# KiCad board Plume.kicad_pcb (continued)
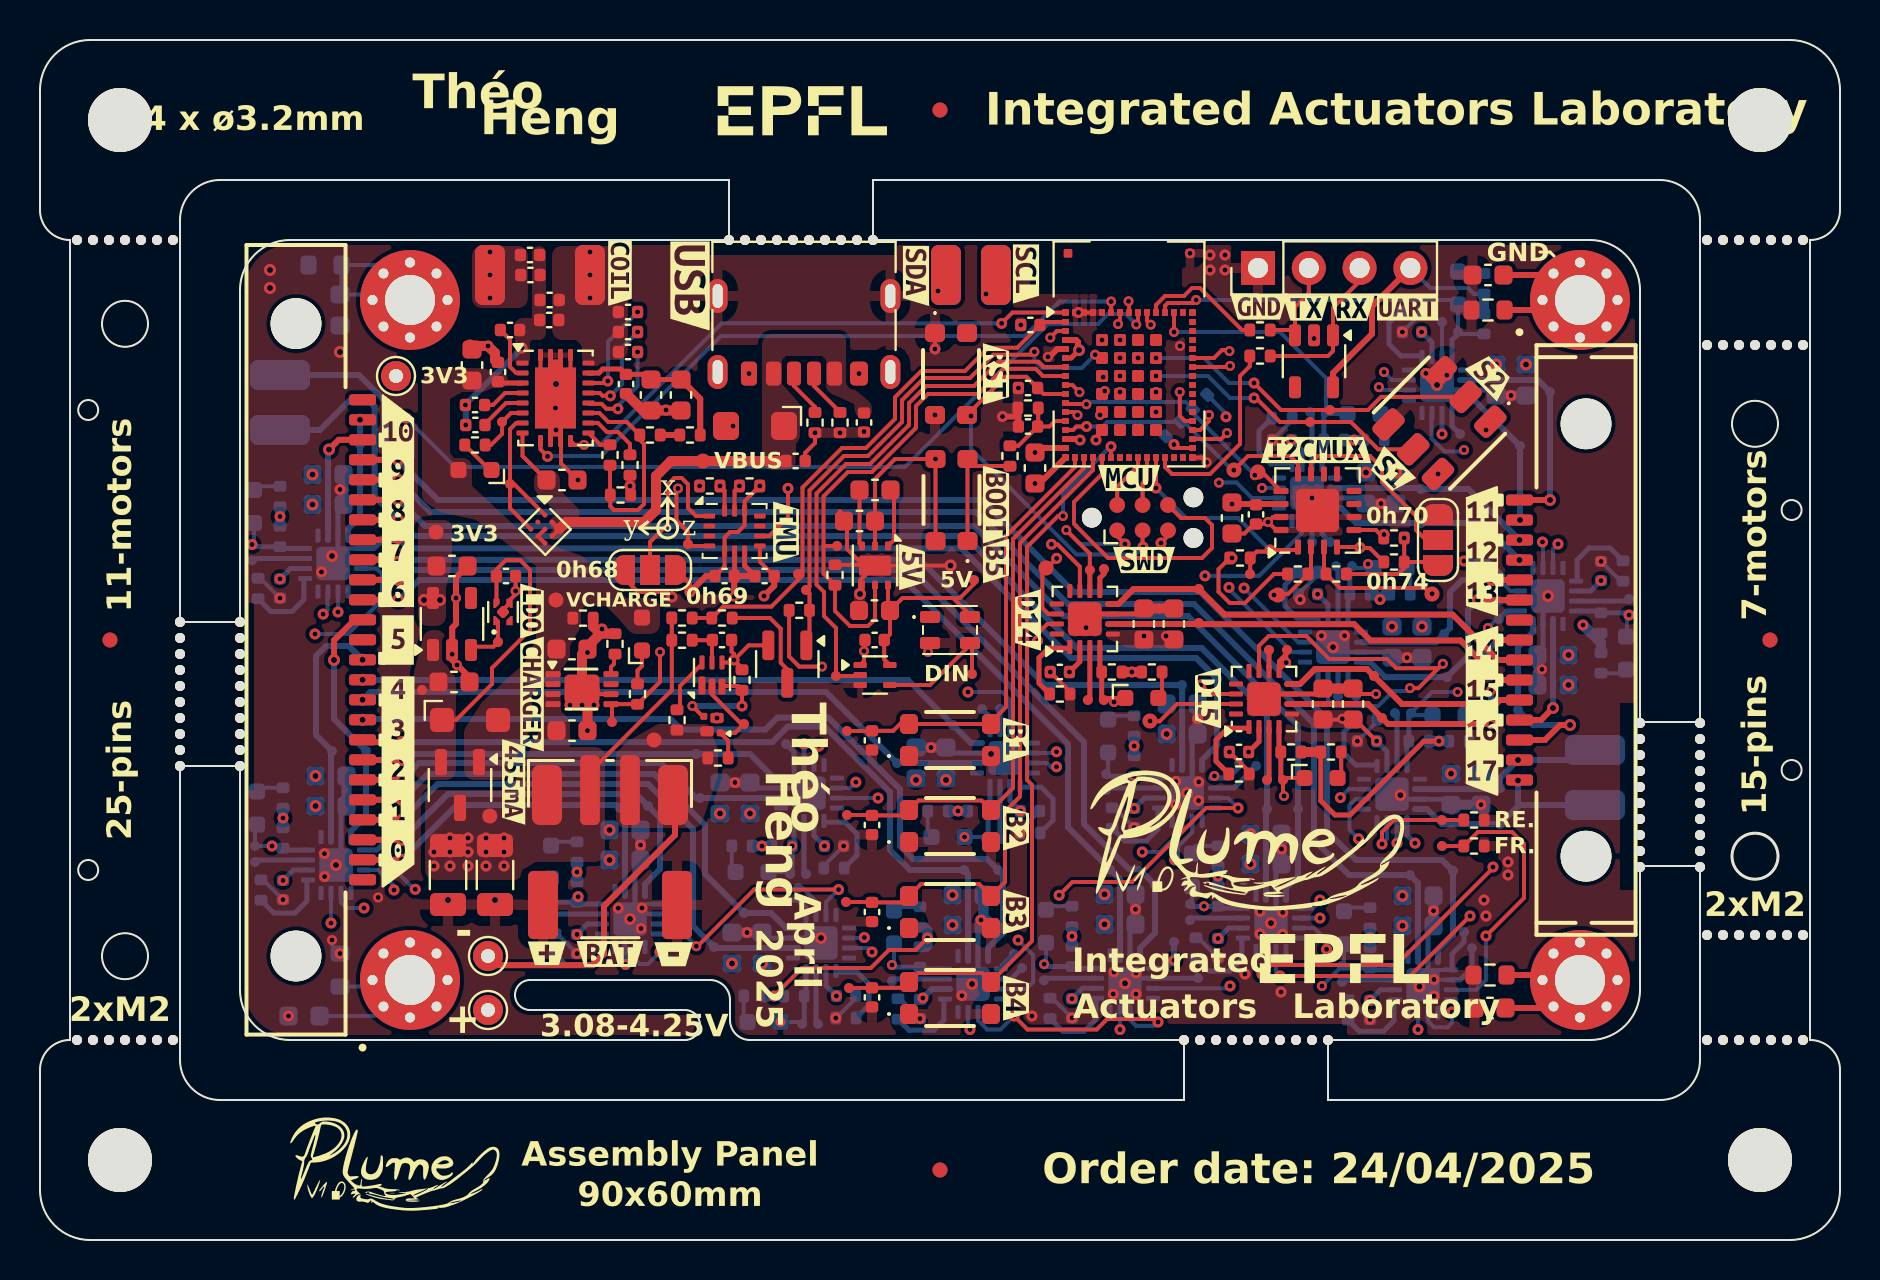
[diagram p0: board, top side]
## Nets (continued)
/Project Architecture/Motor Control - Drivers/Motor Control - Driver 4/VREF: IC1601.16
/Project Architecture/Motor Control - Drivers/Motor Control - Driver 5/A1: IC1701.9 TP1706.1
/Project Architecture/Motor Control - Drivers/Motor Control - Driver 5/EN/IN1: IC1701.13
/Project Architecture/Motor Control - Drivers/Motor Control - Driver 5/FAULT_LED: LED1701.2 R1702.2
/Project Architecture/Motor Control - Drivers/Motor Control - Driver 5/PH/EN2: IC1701.12
/Project Architecture/Motor Control - Drivers/Motor Control - Driver 5/RC_OUT: IC1701.3 TP1702.1
/Project Architecture/Motor Control - Drivers/Motor Control - Driver 5/VREF: IC1701.16
/Project Architecture/Motor Control - Drivers/Motor Control - Driver 6/EN/IN1: IC1801.13
/Project Architecture/Motor Control - Drivers/Motor Control - Driver 6/FAULT_LED: LED1801.2 R1802.2
/Project Architecture/Motor Control - Drivers/Motor Control - Driver 6/PH/EN2: IC1801.12
/Project Architecture/Motor Control - Drivers/Motor Control - Driver 6/RC_OUT: IC1801.3 TP1802.1
/Project Architecture/Motor Control - Drivers/Motor Control - Driver 6/VREF: IC1801.16
/Project Architecture/Motor Control - Drivers/Motor Control - Driver 7/A0: IC1901.10 TP1905.1
/Project Architecture/Motor Control - Drivers/Motor Control - Driver 7/EN/IN1: IC1901.13
/Project Architecture/Motor Control - Drivers/Motor Control - Driver 7/FAULT_LED: LED1901.2 R1902.2
/Project Architecture/Motor Control - Drivers/Motor Control - Driver 7/PH/EN2: IC1901.12
/Project Architecture/Motor Control - Drivers/Motor Control - Driver 7/RC_OUT: IC1901.3 TP1902.1
/Project Architecture/Motor Control - Drivers/Motor Control - Driver 7/VREF: IC1901.16
/Project Architecture/Motor Control - Drivers/Motor Control - Driver 8/EN/IN1: IC2001.13
/Project Architecture/Motor Control - Drivers/Motor Control - Driver 8/FAULT_LED: LED2001.2 R2002.2
/Project Architecture/Motor Control - Drivers/Motor Control - Driver 8/PH/EN2: IC2001.12
/Project Architecture/Motor Control - Drivers/Motor Control - Driver 8/RC_OUT: IC2001.3 TP2002.1
/Project Architecture/Motor Control - Drivers/Motor Control - Driver 8/VREF: IC2001.16
/Project Architecture/Motor Control - Drivers/Motor Control - Driver 9/EN/IN1: IC2101.13
/Project Architecture/Motor Control - Drivers/Motor Control - Driver 9/FAULT_LED: LED2101.2 R2102.2
/Project Architecture/Motor Control - Drivers/Motor Control - Driver 9/PH/EN2: IC2101.12
/Project Architecture/Motor Control - Drivers/Motor Control - Driver 9/RC_OUT: IC2101.3 TP2102.1
/Project Architecture/Motor Control - Drivers/Motor Control - Driver 9/VREF: IC2101.16
/Project Architecture/Motor Control - Drivers/Motor Control - Driver 10/A0: IC2201.10 TP2205.1
/Project Architecture/Motor Control - Drivers/Motor Control - Driver 10/EN/IN1: IC2201.13
/Project Architecture/Motor Control - Drivers/Motor Control - Driver 10/FAULT_LED: LED2201.2 R2202.2
/Project Architecture/Motor Control - Drivers/Motor Control - Driver 10/PH/EN2: IC2201.12
/Project Architecture/Motor Control - Drivers/Motor Control - Driver 10/RC_OUT: IC2201.3 TP2202.1
/Project Architecture/Motor Control - Drivers/Motor Control - Driver 10/VREF: IC2201.16
/Project Architecture/Motor Control - Drivers/Motor Control - Driver 11/EN/IN1: IC2301.13
/Project Architecture/Motor Control - Drivers/Motor Control - Driver 11/FAULT_LED: LED2301.2 R2302.2
/Project Architecture/Motor Control - Drivers/Motor Control - Driver 11/PH/EN2: IC2301.12
/Project Architecture/Motor Control - Drivers/Motor Control - Driver 11/RC_OUT: IC2301.3 TP2302.1
/Project Architecture/Motor Control - Drivers/Motor Control - Driver 11/VREF: IC2301.16
/Project Architecture/Motor Control - Drivers/Motor Control - Driver 12/A1: IC2401.9 TP2406.1
/Project Architecture/Motor Control - Drivers/Motor Control - Driver 12/EN/IN1: IC2401.13
/Project Architecture/Motor Control - Drivers/Motor Control - Driver 12/FAULT_LED: LED2401.2 R2402.2
/Project Architecture/Motor Control - Drivers/Motor Control - Driver 12/PH/EN2: IC2401.12
/Project Architecture/Motor Control - Drivers/Motor Control - Driver 12/RC_OUT: IC2401.3 TP2402.1
/Project Architecture/Motor Control - Drivers/Motor Control - Driver 12/VREF: IC2401.16
/Project Architecture/Motor Control - Drivers/Motor Control - Driver 13/A0: IC2501.10 TP2505.1
/Project Architecture/Motor Control - Drivers/Motor Control - Driver 13/A1: IC2501.9 TP2506.1
/Project Architecture/Motor Control - Drivers/Motor Control - Driver 13/EN/IN1: IC2501.13
/Project Architecture/Motor Control - Drivers/Motor Control - Driver 13/FAULT_LED: LED2501.2 R2502.2
/Project Architecture/Motor Control - Drivers/Motor Control - Driver 13/PH/EN2: IC2501.12
/Project Architecture/Motor Control - Drivers/Motor Control - Driver 13/RC_OUT: IC2501.3 TP2502.1
/Project Architecture/Motor Control - Drivers/Motor Control - Driver 13/VREF: IC2501.16
/Project Architecture/Motor Control - Drivers/Motor Control - Driver 14/A1: IC2601.9 TP2606.1
/Project Architecture/Motor Control - Drivers/Motor Control - Driver 14/EN/IN1: IC2601.13
/Project Architecture/Motor Control - Drivers/Motor Control - Driver 14/FAULT_LED: LED2601.2 R2602.2
/Project Architecture/Motor Control - Drivers/Motor Control - Driver 14/PH/EN2: IC2601.12
/Project Architecture/Motor Control - Drivers/Motor Control - Driver 14/RC_OUT: IC2601.3 TP2602.1
/Project Architecture/Motor Control - Drivers/Motor Control - Driver 14/VREF: IC2601.16
/Project Architecture/Motor Control - Drivers/Motor Control - Driver 15/EN/IN1: IC2701.13
/Project Architecture/Motor Control - Drivers/Motor Control - Driver 15/FAULT_LED: LED2701.2 R2702.2
/Project Architecture/Motor Control - Drivers/Motor Control - Driver 15/PH/EN2: IC2701.12
/Project Architecture/Motor Control - Drivers/Motor Control - Driver 15/RC_OUT: IC2701.3 TP2702.1
/Project Architecture/Motor Control - Drivers/Motor Control - Driver 15/VREF: IC2701.16
/Project Architecture/Motor Control - Drivers/Motor Control - Driver 16/A0: IC2801.10 TP2805.1
/Project Architecture/Motor Control - Drivers/Motor Control - Driver 16/EN/IN1: IC2801.13
/Project Architecture/Motor Control - Drivers/Motor Control - Driver 16/FAULT_LED: LED2801.2 R2802.2
/Project Architecture/Motor Control - Drivers/Motor Control - Driver 16/PH/EN2: IC2801.12
/Project Architecture/Motor Control - Drivers/Motor Control - Driver 16/RC_OUT: IC2801.3 TP2802.1
/Project Architecture/Motor Control - Drivers/Motor Control - Driver 16/VREF: IC2801.16
/Project Architecture/Motor Control - Drivers/Motor Control - Driver 17/EN/IN1: IC2901.13
/Project Architecture/Motor Control - Drivers/Motor Control - Driver 17/FAULT_LED: LED2901.2 R2902.2
/Project Architecture/Motor Control - Drivers/Motor Control - Driver 17/PH/EN2: IC2901.12
/Project Architecture/Motor Control - Drivers/Motor Control - Driver 17/RC_OUT: IC2901.3 TP2902.1
/Project Architecture/Motor Control - Drivers/Motor Control - Driver 17/VREF: IC2901.16
/Project Architecture/Motor Control - Drivers/OUT1_0: IC1201.6 J1101.2 TP1203.1
/Project Architecture/Motor Control - Drivers/OUT1_1: IC1301.6 J1101.4 TP1303.1
/Project Architecture/Motor Control - Drivers/OUT1_2: IC1401.6 J1101.6 TP1403.1
/Project Architecture/Motor Control - Drivers/OUT1_3: IC1501.6 J1101.8 TP1503.1
/Project Architecture/Motor Control - Drivers/OUT1_4: IC1601.6 J1101.10 TP1603.1
/Project Architecture/Motor Control - Drivers/OUT1_5: IC1701.6 J1101.12 TP1703.1
/Project Architecture/Motor Control - Drivers/OUT1_6: IC1801.6 J1101.15 TP1803.1
/Project Architecture/Motor Control - Drivers/OUT1_7: IC1901.6 J1101.17 TP1903.1
/Project Architecture/Motor Control - Drivers/OUT1_8: IC2001.6 J1101.19 J1103.1 TP2003.1
/Project Architecture/Motor Control - Drivers/OUT1_9: IC2101.6 J1101.21 TP2103.1
/Project Architecture/Motor Control - Drivers/OUT1_10: IC2201.6 J1101.23 TP2203.1
/Project Architecture/Motor Control - Drivers/OUT1_11: IC2301.6 J1104.1 TP2303.1
/Project Architecture/Motor Control - Drivers/OUT1_12: IC2401.6 J1104.3 TP2403.1
/Project Architecture/Motor Control - Drivers/OUT1_13: IC2501.6 J1104.5 TP2503.1
/Project Architecture/Motor Control - Drivers/OUT1_14: IC2601.6 J1104.8 TP2603.1
/Project Architecture/Motor Control - Drivers/OUT1_15: IC2701.6 J1104.10 TP2703.1
/Project Architecture/Motor Control - Drivers/OUT1_16: IC2801.6 J1104.12 TP2803.1
/Project Architecture/Motor Control - Drivers/OUT1_17: IC2901.6 J1104.14 J1106.1 TP2903.1
/Project Architecture/Motor Control - Drivers/OUT2_0: IC1201.8 J1101.3 TP1204.1
/Project Architecture/Motor Control - Drivers/OUT2_1: IC1301.8 J1101.5 TP1304.1
/Project Architecture/Motor Control - Drivers/OUT2_2: IC1401.8 J1101.7 TP1404.1
/Project Architecture/Motor Control - Drivers/OUT2_3: IC1501.8 J1101.9 TP1504.1
/Project Architecture/Motor Control - Drivers/OUT2_4: IC1601.8 J1101.11 TP1604.1
/Project Architecture/Motor Control - Drivers/OUT2_5: IC1701.8 J1101.14 TP1704.1
/Project Architecture/Motor Control - Drivers/OUT2_6: IC1801.8 J1101.16 TP1804.1
/Project Architecture/Motor Control - Drivers/OUT2_7: IC1901.8 J1101.18 TP1904.1
/Project Architecture/Motor Control - Drivers/OUT2_8: IC2001.8 J1101.20 J1102.1 TP2004.1
/Project Architecture/Motor Control - Drivers/OUT2_9: IC2101.8 J1101.22 TP2104.1
/Project Architecture/Motor Control - Drivers/OUT2_10: IC2201.8 J1101.24 TP2204.1
/Project Architecture/Motor Control - Drivers/OUT2_11: IC2301.8 J1104.2 TP2304.1
/Project Architecture/Motor Control - Drivers/OUT2_12: IC2401.8 J1104.4 TP2404.1
/Project Architecture/Motor Control - Drivers/OUT2_13: IC2501.8 J1104.6 TP2504.1
/Project Architecture/Motor Control - Drivers/OUT2_14: IC2601.8 J1104.9 TP2604.1
/Project Architecture/Motor Control - Drivers/OUT2_15: IC2701.8 J1104.11 TP2704.1
/Project Architecture/Motor Control - Drivers/OUT2_16: IC2801.8 J1104.13 TP2804.1
/Project Architecture/Motor Control - Drivers/OUT2_17: IC2901.8 J1104.15 J1105.1 TP2904.1
/Project Architecture/Power - Battery Management/BAT: C505.2 R501.2 U501.5
/Project Architecture/Power - Battery Management/CHARGE_LED: LED501.1 R505.1
/Project Architecture/Power - Battery Management/COUT: Q502.G1 R506.1 TP501.1 U501.2
/Project Architecture/Power - Battery Management/DOUT: Q502.G2 R507.2 TP502.1 U501.3
/Project Architecture/Power - Battery Management/PROG: R508.1 U502.8
/Project Architecture/Power - Battery Management/V-: R504.1 U501.6
/Project Architecture/Power - Wireless Receiver & USB/+VCHARGE: C506.2 C601.1 C602.1 D701.2 LED501.2 LED601.2 Q601.5 Q601.8 Q601.9 Q701.1 R701.1 TP602.1 U502.1 U502.2 U601.4
/Project Architecture/Power - Wireless Receiver & USB/AC1: C606.2 C607.2 C608.2 C609.2 C610.2 C611.1 C612.1 U601.2
/Project Architecture/Power - Wireless Receiver & USB/AC2: C611.2 C612.2 C613.1 C614.1 C615.1 J604.1 J605.1 U601.19
/Project Architecture/Power - Wireless Receiver & USB/BOOT1: C609.1 U601.3
/Project Architecture/Power - Wireless Receiver & USB/BOOT2: C615.2 U601.17
/Project Architecture/Power - Wireless Receiver & USB/CC1: J602.A5 R602.2
/Project Architecture/Power - Wireless Receiver & USB/CC2: J602.B5 R603.2
/Project Architecture/Power - Wireless Receiver & USB/CLAMP1: C607.1 U601.5
/Project Architecture/Power - Wireless Receiver & USB/CLAMP2: C613.2 U601.16
/Project Architecture/Power - Wireless Receiver & USB/COIL1: C606.1 C610.1 J601.1 J603.1
/Project Architecture/Power - Wireless Receiver & USB/COMM1: C608.1 U601.6
/Project Architecture/Power - Wireless Receiver & USB/COMM2: C614.2 U601.15
/Project Architecture/Power - Wireless Receiver & USB/FOD: R604.2 R606.2 R607.1 U601.14
/Project Architecture/Power - Wireless Receiver & USB/ILIM: R604.1 U601.12
/Project Architecture/Power - Wireless Receiver & USB/RECT: C616.1 C617.1 C618.1 R605.1 U601.18
/Project Architecture/Power - Wireless Receiver & USB/TS/CTRL: R608.2 U601.13
/Project Architecture/Power - Wireless Receiver & USB/~{AD_EN}: Q601.1 Q601.7 TP603.1 U601.8
/Project Architecture/Power - Wireless Receiver & USB/~{CHG}: R601.2 TP604.1 U601.7
/Project Architecture/Sensing - IMU/IMU_ADD: JP1001.2 U1001.1
/Project Architecture/User - RGB LED Indicator/CPUMP+: C901.1 IC902.1
/Project Architecture/User - RGB LED Indicator/CPUMP-: C901.2 IC902.3
/Project Architecture/User - RGB LED Indicator/DIN_5V: D901.3 IC901.4 TP903.1
Net-(IC1201-IPROPI): IC1201.1 R1201.1
Net-(IC1301-IPROPI): IC1301.1 R1301.1
Net-(IC1401-IPROPI): IC1401.1 R1401.1
Net-(IC1501-IPROPI): IC1501.1 R1501.1
Net-(IC1601-IPROPI): IC1601.1 R1601.1
Net-(IC1701-IPROPI): IC1701.1 R1701.1
Net-(IC1801-IPROPI): IC1801.1 R1801.1
Net-(IC1901-IPROPI): IC1901.1 R1901.1
Net-(IC2001-IPROPI): IC2001.1 R2001.1
Net-(IC2101-IPROPI): IC2101.1 R2101.1
Net-(IC2201-IPROPI): IC2201.1 R2201.1
Net-(IC2301-IPROPI): IC2301.1 R2301.1
Net-(IC2401-IPROPI): IC2401.1 R2401.1
Net-(IC2501-IPROPI): IC2501.1 R2501.1
Net-(IC2601-IPROPI): IC2601.1 R2601.1
Net-(IC2701-IPROPI): IC2701.1 R2701.1
Net-(IC2801-IPROPI): IC2801.1 R2801.1
Net-(IC2901-IPROPI): IC2901.1 R2901.1
Net-(LED601-K): LED601.1 R601.1
Net-(Q501-D): Q501.3 R503.2
Net-(R605-Pad2): R605.2 R606.1

Pads without a net: D401 4; D901 1; J1101 1 13 25; J1104 7; Q601 4; SW402 2; U401 23 24 29 30 36 37 38 39 40 43 44 45 46 47 48 67 68 69 74 75 80 81 82 83 85; U501 1; U502 7; U701 2; U702 4; U801 7 8 9 10; U1001 2 3 10 11

## Via types
v1: diameter 0.55, hole 0.25, L1 (Sig, PWR) to L8 (Sig, PWR), 262 vias
v2: diameter 0.5, hole 0.25, L1 (Sig, PWR) to L8 (Sig, PWR), 87 vias
v3: diameter 0.6, hole 0.3, L1 (Sig, PWR) to L8 (Sig, PWR), 89 vias

## Routing (per net, layer and track width the routed paths; a pad name or vN(x,y) marks a point on that pad's centre or on a via; arc(x,y) is an arc through that point)
+3V3: length 292.9
  L1 (Sig, PWR) w0.2: v1(35.99,37.7) 35.23,36.94 U1001.12 35.23,35.73 34.9,35.4 34.5,35.4 34.23,35.13 U1001.5 34.23,33.68 C1002.1 ; v1(54.25,34.8) 53.86,35.19 J402.1 ; v2(51.31,35.49) 52.49,34.31 TP2605.1 ; v1(44.38,15.1) 43.78,14.5 42.44,14.5 41.54,13.6 38.1,13.6 v1(36.7,12.2) ; v1(56.7,39.78) 56.88,39.6 U401.32 ; C1001.1 35.99,33.92 U1001.8 ; 44.78,34.95 v1(44.78,39.05) 42.75,39.05 41.75,38.05 C904.1 IC902.2 ; R807.1 68.21,33.6 67.91,33.3 R804.1 ; R807.1 69.7,33.9 JP801.1 ; R807.1 v1(68.21,35.1) ; JP1001.3 32.5,32.8 v1(32.5,32.4) ; v1(59.6,34.1) R801.1 58.92,33.53 58.92,32.41 59.49,31.85 60.25,31.85 61.7,33.3 R805.1 ; 62.31,29.46 TP2706.1 62.35,29.35 61.95,28.95 61.95,28.51 v2(62.31,28.87) 62.31,29.46
  L1 (Sig, PWR) w0.25: v1(69.95,24.94) 69.19,24.94 65.5,21.25 64.75,21.25 64.04,21.96 R2702.1 ; v3(51.95,44.49) 51.56,44.1 51.28,44.1 ; 52.49,32.51 TP2605.1
  L1 (Sig, PWR) w0.3: C1002.1 33.3,33.2 v1(32.5,32.4) ; C1001.1 36.71,32.71 v1(36.2,32.2) ; 51.28,40.05 51.95,40.05 v1(52,40) ; J401.4 66.6,46.68 66.6,45.3 64.65,43.35 64.65,42.8 ; v1(49.75,37.83) 49.98,37.83 51.28,39.12 ; 51.28,45 51.8,45 51.9,44.9 51.9,44.54 v3(51.95,44.49) ; v1(59.6,36.8) U801.14
  L1 (Sig, PWR) w0.5: R2703.1 R2702.1 ; R2603.1 v1(54.59,28.4) R2602.1
  L4 (PWR) w0.2: v1(18.76,17.53) 18.76,23.36 21,25.6 ; v1(12.15,21.1) 12.2,21.15 12.2,23.3 13.4,24.5 16.2,24.5 18.2,26.5 20.5,26.5 ; v2(58.72,23.2) 62.35,23.2 63.55,24.4 ; v1(56.7,13.98) 56.7,16 v1(58.9,18.2) 58.9,19.75 63.55,24.4 ; 63.55,24.4 66.22,21.72 ; 63.55,24.4 63.55,27.63 v2(62.31,28.87) 60.12,28.87 54.59,34.39 ; v1(65.7,40) 66.1,40.4 70,40.4 v1(70.1,40.3) ; 54.59,34.39 54.25,34.74 v1(54.25,34.8) ; 54.59,34.39 v1(54.59,28.4) 54.71,28.29 v1(54.71,24.7) 51.6,21.59 v1(51.6,15.18) ; 37,25.5 37,20.6 v1(36.1,19.7) ; 68.21,33.71 67,32.5 v1(67,32.03) 66,31.03 66,28.89 v1(69.95,24.94) ; 68.21,33.71 v1(68.21,35.1) ; 68.21,33.71 68.21,32.82 69.23,31.8 69.35,31.8 70.55,30.6 v2(72.4,30.6) 77,30.6 v1(77.15,30.75) ; 25.5,25.5 26.85,24.15 v1(26.85,18.4) ; 20.7,43.2 TP703.1 16.2,43.2 12,39 v1(12,36.18) ; 66.22,21.72 66.5,21.45 ; 66.22,21.72 67.85,20.1 v1(67.85,19.84) v1(68.75,19.84) ; v1(66.5,15.11) 66.5,21.45 ; 66.5,21.45 64,18.95 v1(64,17) v1(64,16.1) ; v1(70.1,40.3) 70.3,40.5 v1(72.3,40.5) ; v1(70.1,40.3) 69.9,40.1 v1(69.9,38.3) ; 46.5,25 46.5,22.05 v1(45.9,21.45) 43.75,19.3 43.75,15.85 44.5,15.1
  L4 (PWR) w0.25: v1(65.7,40) 65.7,40.3 62.5,43.5
  L8 (Sig, PWR) w0.2: v1(56.7,39.78) 56.7,39.78 R803.1 ; 59.36,41.16 v1(59.3,41.16) 59.3,41.32 R802.1 ; TP2806.1 72.85,31.05 v2(72.4,30.6) ; TP1705.1 18.72,17.53 v1(18.76,17.53) ; v1(54.25,34.8) 52.01,34.8 v2(51.31,35.49) ; R2302.1 71.7,47.3 71.4,47.6 69.52,47.6 J401.4
  L8 (Sig, PWR) w0.25: TP1906.1 59.95,23.65 59.41,23.1 58.81,23.1 ; 63.01,16.6 63.6,16.6 v1(64,17) ; 38.2,23.81 v1(38.2,24.8) ; 16.26,19 TP1705.1 ; 67.85,20.83 v1(67.85,19.84) ; 63.01,16.1 v1(64,16.1) ; 55.71,13.58 56.3,13.58 v1(56.7,13.98) ; 68.35,20.83 68.35,20.24 v1(68.75,19.84) ; 70.1,41.29 v1(70.1,40.3) ; 73.94,31.45 73.35,31.45 TP2806.1
  L8 (Sig, PWR) w0.3: v1(56.7,13.98) TP1806.1
  L8 (Sig, PWR) w0.5: R2302.1 R2303.1 ; R1302.1 v1(36.7,12.2) R1303.1 ; R2203.1 v1(12,36.18) R2202.1 ; R2103.1 v1(66.5,15.11) R2102.1 ; R2402.1 v1(65.7,40) R2403.1 ; R1602.1 v1(45.9,21.45) R1603.1 ; R1903.1 v1(54.71,24.7) R1902.1 ; R1203.1 v1(26.85,18.4) R1202.1 ; R2502.1 67.27,32.29 v1(67,32.03) 66.73,32.29 R2503.1 ; R1703.1 v1(12.15,21.1) R1702.1 ; R2902.1 v1(69.95,24.94) R2903.1 ; R1503.1 44.31,14.66 44.38,14.73 v1(44.38,15.1) 44.38,15.47 44.21,15.64 R1502.1 ; R2803.1 77.56,30.34 v1(77.15,30.75) 78.05,29.85 R2802.1 ; R2002.1 v1(58.9,18.2) R2003.1 ; R1803.1 v1(51.6,15.18) R1802.1 ; R1402.1 v1(36.1,19.7) R1403.1
  vias: v1(32.98,37.7) v3(19.2,32) v3(20,32)
+VBUS: length 17.6
  L1 (Sig, PWR) w0.2: C603.1 24.12,39.2 U601.9 ; Q601.2 Q601.3 Q601.6
  L1 (Sig, PWR) w0.5: Q601.3 26.31,35.9 30.2,35.9 30.8,36.5 30.8,38.2 31.55,38.95 TP601.1 37.3,38.95 C605.1
/Project Architecture/MCU - Unit/5V_ENABLE: length 26.3
  L1 (Sig, PWR) w0.2: IC902.5 41.75,31.05 41.4,30.7 40.5,30.7 39.75,31.45 R901.1 39.18,33.31 39.18,34.7 ; 51.28,43.2 50.15,43.2 49.79,43.56 48.16,43.56 46.9,42.3 44.4,42.3 43.8,41.7 43.8,40.61 43.75,40.56 43.75,40.55 41.6,38.4 40.4,38.4 39.18,37.18 39.18,34.7 ; TP901.1 39.18,34.7
/Project Architecture/Power - Battery Management/+VBAT: length 38.9
  L1 (Sig, PWR) w0.2: J502.1 27.5,23.4 31.59,27.49 R501.1 R502.1 ; v1(66.83,24.94) 65.71,26.06 v2(65.12,26.06) 65.08,26.03 C2702.1
  L1 (Sig, PWR) w0.25: v1(60.43,24.4) 60.95,24.92 60.95,25.59 ; 51.99,29.59 51.99,28.92 v1(51.47,28.4)
  L8 (Sig, PWR) w0.25: v1(69.08,45.4) 69.6,44.88 69.6,44.21 ; v1(63.88,32.29) 64.4,31.77 64.4,31.1 ; 38.7,20.89 38.7,20.22 v1(39.22,19.7) ; 63.1,38.81 63.1,39.48 v1(62.58,40) ; v1(39.82,12.2) 39.3,12.72 39.3,13.39 ; 28.04,15.8 27.37,15.8 v1(26.85,15.28) ; v1(66.83,24.94) 67.35,24.42 67.35,23.75 ; 48.5,22.64 48.5,21.97 v1(49.02,21.45) ; v1(51.6,12.06) 52.12,12.58 52.79,12.58 ; 67.69,12.51 67.02,12.51 v1(66.5,11.99) ; v1(12,33.06) 12.52,33.58 13.19,33.58 ; 55.9,22.1 55.23,22.1 v1(54.71,21.58) ; 76.86,32.45 77.53,32.45 v1(78.05,32.97) ; 60.09,15.6 59.42,15.6 v1(58.9,15.08) ; 13.34,18.5 12.67,18.5 v1(12.15,17.98)
  L8 (Sig, PWR) w0.3: 45.5,12.55 44.59,12.55 v1(44.14,12.1)
  vias: v1(19.7,19.4) v1(19.7,18.7) v1(20.5,20.1) v1(20.5,19.4) v1(20.5,18.7) v1(21.4,20.1) v1(21.4,19.4) v1(21.4,18.7) v1(22.3,20.1) v1(22.3,19.4) v1(22.3,18.7) v1(23.2,20.1) v1(23.2,19.4) v1(23.2,18.7) v2(55.2,30.2) v2(56.3,30.2) v3(13.62,38.28) v3(13.63,36.78) v3(13.78,23.2) v3(13.78,21.7) v3(28.47,20.5) v3(28.48,19) v3(34,21.33) v3(34.6,13.83) v3(35.5,21.33) v3(36.1,13.83) v3(43.8,23) v3(45.3,23) v3(45.63,17.25) v3(45.63,15.75) v3(53.22,17.28) v3(53.23,15.78) v3(56.33,25.3) v3(60.53,20.3) v3(60.53,18.8) v3(66.3,38.37) v3(67.6,30.67) v3(67.8,38.37) v3(68.12,17.21) v3(68.13,15.71) v3(69.1,30.67) v3(70.55,23.32) v3(72.05,23.32) v3(72.8,43.77) v3(74.3,43.78) v3(76.42,29.25) v3(76.42,27.75)
/Project Architecture/Power - Battery Management/-VBAT: length 15.7
  L1 (Sig, PWR) w0.3: TP507.1 22.86,13.74 27.64,13.74 28.2,14.3 28.2,16.7 31.75,20.25 31.75,22.15 J503.1
/Project Architecture/Power - Path & Generation/3V3_EN: length 2.5
  L1 (Sig, PWR) w0.2: U701.1 22.9,30.89 TP701.1 22.66,29.66 21.55,29.66
/Project Architecture/Power - Path & Generation/+VDD: length 13.5
  L1 (Sig, PWR) w0.2: D701.1 20.8,26 22.6,27.8 22.6,28.6 24.5,30.5 24.5,33.5 24,34 23.3,34 22.82,33.52 C701.1 22.83,33.19 U701.4
/Project Architecture/User - RGB LED Indicator/+5V: length 10.8
  L1 (Sig, PWR) w0.2: 45.4,32.1 43.12,32.1 C902.1 ; 45.4,32.1 46,32.1 46.7,32.8 TP904.1 ; 45.4,32.1 45.65,32.1 46.6,31.15 ; IC901.5 42.21,29.03 C903.1 42.5,30.29 C902.1 ; IC902.6 42.4,31.58 C902.1
GND: length 240.8
  L1 (Sig, PWR) w0.2: JP1001.1 29.2,33.1 29.9,32.4 31.35,32.4 v1(31.6,32.15) ; U601.1 25.03,42.85 U601.21 ; R2701.2 60.46,23.41 v1(59.47,24.4) ; U801.15 61.65,36.15 v2(61.4,35.9) ; 23.78,32.28 C701.2 ; 23.78,32.28 23.47,31.98 U701.3 23.15,31.5 U701.5 ; 23.78,32.28 v2(23.78,32.45) ; v2(61.4,35.9) 61.8,35.5 U801.16 ; v2(61.4,35.9) 61.3,35.8 60.7,35.8 60.22,35.33 59.5,35.33 ; U601.21 26.53,42.85 U601.20 ; U601.21 v1(25.78,41.6) ; 27.73,27.54 27.73,27.52 27.95,27.29 U502.6 ; IC901.1 41.2,28.94 v2(41.2,29.45) 41.25,29.5 C903.2 ; v2(39.1,28.67) 37.96,28.67 37.46,29.18 R509.2 ; v2(38.75,40.36) 38.75,39.85 38.26,39.36 C605.2 ; 26.05,39.95 26.05,38.83 C603.2 ; SW402.1 v1(44.75,44.55) ; U502.9 27.1,27.32 27.68,26.74 27.69,26.74 v1(27.7,26.75) ; U502.9 v1(27.1,26.75) ; U502.9 27.1,27.3 26.55,26.75 v1(26.5,26.75) ; C2701.2 65.93,27.3 v2(66.8,27.3) ; J402.5 56.4,35.2 v1(56.05,34.85) ; IC902.7 41,32.97 v3(41,32.3) ; IC902.7 41.72,33.76 R901.2 ; IC902.7 41.18,33.72 40.35,34.55 40.35,35.8 C904.2 40.2,36.23 39.99,36.45 ; IC902.7 v3(45.53,33.72) ; v1(34.7,29) 34.57,28.87 U501.4 ; v1(34.7,29) 34.7,29.3 34.58,29.42 C505.1 ; v1(34.7,29) 35.1,28.6 R507.1 ; v1(34.7,29) 35.43,29.73 Q501.2 ; v1(50.51,28.4) 51.5,27.41 R2601.2 ; U401.31 58.08,39.12 58.33,38.88 v2(58.33,38.88) ; U401.58 v1(51.93,46.38) U401.60 ; v2(44.4,29.4) 44.4,29.85
  L1 (Sig, PWR) w0.25: 61.45,28.51 TP2705.1 ; C1001.2 35.23,33.72 U1001.7 ; C2702.2 63.87,27.3 61.45,27.3 IC2701.17 ; C2602.2 54.92,31.3 52.49,31.3 IC2601.17 ; U1001.6 34.73,33.22 C1002.2
  L1 (Sig, PWR) w0.3: v1(48.13,41.17) 48.89,41.17 48.92,41.2 ; v2(34.7,32.17) 34.71,32.18 C1002.2 C1001.2 ; 48.92,41.2 48.92,41.57 R402.1 ; 48.92,41.2 C401.2 ; 51.28,44.55 50.86,44.55 50.47,44.15 v2(50.4,44.15) ; C703.2 20.8,33.12 v2(20.8,32.1) 20.8,30.8 20.61,30.61 v1(20.61,29.29) 20.61,29 20.85,28.76 20.85,28.75 v2(20.85,28.75) 20.85,28.67 20.87,28.66 20.96,28.66 21.47,28.14 C702.2 ; v1(49.75,39.38) 49.97,39.6 51.28,39.6
  L1 (Sig, PWR) w0.5: 28.01,30.31 27.66,30.67 R701.2 ; 28.01,30.31 R508.2 ; 28.01,30.31 27.38,29.68 C506.1 27.1,29.27 27.1,28.14 27.7,27.54 27.73,27.54 27.65,27.54 27.38,27.27 v1(27.38,25.47) ; C2602.2 C2601.2 ; 21.5,44.78 21.58,44.7 v1(22.4,44.7) 22.75,44.35 22.75,43.98 ; C2702.2 C2701.2 ; v1(27.7,26.75) v1(26.5,26.75) ; C618.2 C617.2 30.15,41.47 C616.2
  L8 (Sig, PWR) w0.2: v2(14.6,15) 14.6,14.72 v1(15,14.33) ; IC1501.17 46.9,13.05 IC1501.10 ; v1(66.5,11.03) 65.51,12.02 R2101.2 ; v1(65.87,24.94) 66.86,25.93 R2901.2 ; v1(44,11.07) 43.01,12.06 R1501.2 ; v3(38.45,22.35) 37.7,23.1 37.7,23.81 ; 69.5,13.5 70.54,13.5 IC2101.9 ; v1(69.7,13.03) 69.9,13.03 69.92,13.01 IC2101.10 ; v3(69.85,42.75) 70.6,42 70.6,41.29 ; v1(26.85,14.32) 25.86,15.31 R1201.2 ; v1(78.05,33.93) 79.04,32.94 R2801.2 ; v1(58.9,14.12) 57.91,15.11 R2001.2 ; R2401.2 62.61,40.99 v1(61.62,40) ; R1701.2 11.16,18.01 v1(12.15,17.02) ; v1(40.18,19.7) 39.19,18.71 R1401.2 ; v3(61.55,15.85) 61.55,15.85 v1(61.01,15.31) ; v1(68.12,45.4) 69.11,46.39 69.11,46.5 ; v1(39.79,11.1) 39.8,11.1 40.78,12.08 C1303.2 ; R1801.2 50.61,12.09 v1(51.6,11.1) ; R2501.2 63.91,33.28 63.01,32.38 v1(63.01,32.03) ; v1(54.71,20.62) 53.72,21.61 R1901.2 ; IC2401.17 v1(63.6,37.1) IC2401.10 ; 38.3,16.31 38.3,15.6 38.8,15.1 v3(39.05,15.1) ; C1603.2 48.99,20.46 v1(48.99,20.35) ; v1(12,32.1) 11.01,33.09 R2201.2 ; v3(14.6,34.2) 14.98,34.58 16.11,34.58 ; IC1201.10 30.4,16.3 v1(30.1,16.6) 30.3,16.8 IC1201.9
  L8 (Sig, PWR) w0.25: v3(47.55,24.3) 47.51,24.35 45.58,24.35 C1602.2 ; 70.61,13.51 70.61,14.31 71.2,14.9 TP2106.1 ; TP1306.1 37.9,17 38.3,16.6 38.3,16.31 ; v3(75.4,32.2) 75.15,31.95 75.15,29.53 C2802.2 ; 55.71,13.08 57.88,13.08 TP1805.1 ; C1502.2 46.9,15.47 46.9,13.05 IC1501.17 v3(46.6,12.8) ; v3(61.55,15.85) 61.8,16.1 61.8,18.52 C2002.2 ; C2502.2 67.32,29.39 64.9,29.39 v3(64.65,29.64) ; C1702.2 15.05,21.42 15.05,19 v3(14.8,18.75) ; C1802.2 54.5,15.51 54.5,13.08 ; 70.61,13.01 71.01,13.01 71.6,13.6 TP2105.1 ; 37.7,23.81 37.7,24.4 TP1406.1 ; v3(68.02,22.24) 68.22,22.04 70.27,22.04 C2902.2 ; v3(68.97,12.67) 69.06,12.67 69.4,13.01 69.4,15.43 C2102.2 ; 54.5,13.08 v3(54.25,12.83) 54.5,13.08 ; 54.5,13.08 IC1801.10 ; TP2206.1 16.7,34.58 16.11,34.58 ; C1202.2 29.75,18.72 29.75,16.3 v3(29.5,16.05) ; 30.96,16.8 31.55,16.8 TP1206.1 ; TP2306.1 70.6,40.7 70.6,41.29 ; C2402.2 66.02,37.1 v1(63.6,37.1) IC2401.17 ; TP1505.1 48.55,13.05 48.11,13.05 ; C1402.2 35.78,22.6 38.2,22.6 v3(38.45,22.35) ; v3(39.05,15.1) 36.38,15.1 C1302.2 ; 63.6,35.89 TP2405.1 ; C2302.2 72.52,42.5 70.1,42.5 v3(69.85,42.75) ; v3(14.6,34.2) 14.9,34.5 14.9,36.5 C2202.2 ; C1902.2 57.61,25.02 57.61,22.6 v3(57.36,22.35) ; 30.96,16.3 TP1205.1
  L8 (Sig, PWR) w0.3: v1(69.7,13.03) 69.7,12.83 69.63,12.76 69.06,12.76 v3(68.97,12.67) 69.06,12.76 69.15,12.76 69.74,12.16 ; v3(54.25,12.83) 54.27,12.83 v1(54.8,12.3) ; v3(54.25,12.83) 54.28,12.83 v1(54.8,13.35) ; v3(54.25,12.83) 54.25,12.85 v1(53.7,13.4) ; v3(54.25,12.83) 54.19,12.83 v1(53.66,12.3) ; v3(69.85,42.75) v1(70.34,43.24) ; v3(61.55,15.85) 61.55,15.88 v1(61,16.43) ; v3(61.55,15.85) 61.57,15.85 v1(62.13,15.29) ; v3(61.55,15.85) 61.6,15.85 v1(62.14,16.38) ; v3(29.5,16.05) 29.55,16.05 v1(30.1,16.6) ; v3(29.5,16.05) 29.57,16.05 v1(30.05,15.58) ; v3(29.5,16.05) 29.46,16.05 v1(28.92,16.59) ; v3(57.36,22.35) 57.38,22.35 v1(57.94,22.91) ; v3(57.36,22.35) 57.55,22.35 v1(57.93,21.97) ; v3(57.36,22.35) 57.35,22.35 v1(56.78,21.78) ; v3(57.36,22.35) 57.36,22.36 v1(56.79,22.93) ; 63.52,37.91 63.6,37.83 v1(63.6,37.1) ; v1(14.23,18.17) 14.8,18.74 v3(14.8,18.75) 14.79,18.75 v1(14.22,19.32) ; v1(65.23,30.22) 64.65,29.64 v3(64.65,29.64) 64.64,29.64 v1(64.07,30.21)
  L8 (Sig, PWR) w0.5: C1202.2 v1(30.03,19.75) 30.03,20.5 ; C1501.2 47.18,16.12 v1(47.05,16) 47.18,15.87 C1502.2 ; C1901.2 v1(57.88,26.05) C1902.2 ; C2201.2 15.17,37.7 v1(15,37.53) 15.17,37.53 C2202.2 ; C2101.2 v1(69.68,16.46) C2102.2 ; C2301.2 v1(73.55,42.22) C2302.2 ; C2402.2 v1(67.05,36.82) C2401.2 ; C1601.2 v1(44.55,24.62) C1602.2 ; C2001.2 v1(62.08,19.55) C2002.2 ; C1701.2 C1702.2 ; C2802.2 74.87,28.74 75.08,28.53 ; v2(75.1,28.53) 75.08,28.53 ; 75.08,28.53 74.87,28.32 C2801.2 ; C1402.2 v1(34.75,22.88) C1401.2 ; C1801.2 v1(54.78,16.53) C1802.2 ; C1302.2 v1(35.35,15.38) C1301.2 ; v1(72.05,21.77) C2902.2 ; C2501.2 v1(68.35,29.12) C2502.2
  vias: v1(12.42,11.2) v1(14.07,33.41) v1(25.8,40.5) v1(26.9,38) v1(27.38,29.38) v1(28.1,30.55) v1(29.5,37.7) v1(31.3,41.5) v1(33.85,26.1) v1(34.65,40.7) v1(35.45,43.32) v1(40.95,43.32) v1(44.75,41.25) v1(46.1,12.22) v1(48.92,42.6) v1(49.04,45.75) v1(49.6,11.2) v1(54.9,44.1) v1(58.5,49.25) v1(58.5,48.5) v1(59.25,49.25) v1(59.25,48.5) v1(60.25,13.3) v1(62.05,12.4) v1(69.29,43.33) v1(69.7,12.2) v1(72.2,17) v1(72.3,16.2) v1(73.4,18.9) v1(73.4,18.25) v2(16.91,17.13) v2(40,40.36) v2(41.2,40.42) v2(52.3,30.62) v2(57,44.7) v2(57.5,49.33) v2(63.7,45.08) v3(11.5,48.5) v3(11.5,47.6) v3(15,44.4) v3(20.4,17) v3(22.75,17) v3(25.8,42.8)
